# Altium PCB PCB1.PcbDoc (part 3 of 3)
Units mm, origin at the board's own origin, x right, y up, seen from the top; angles counter-clockwise.
Board outline 120 x 57 mm, 4 copper layers (Layer 1, Layer 2, Layer 3, Layer 4), stack 1.283 mm thick; 163 components, 105 nets, 545 pads, 1469 vias.
Unrouted connection lines stored in the file: 2.
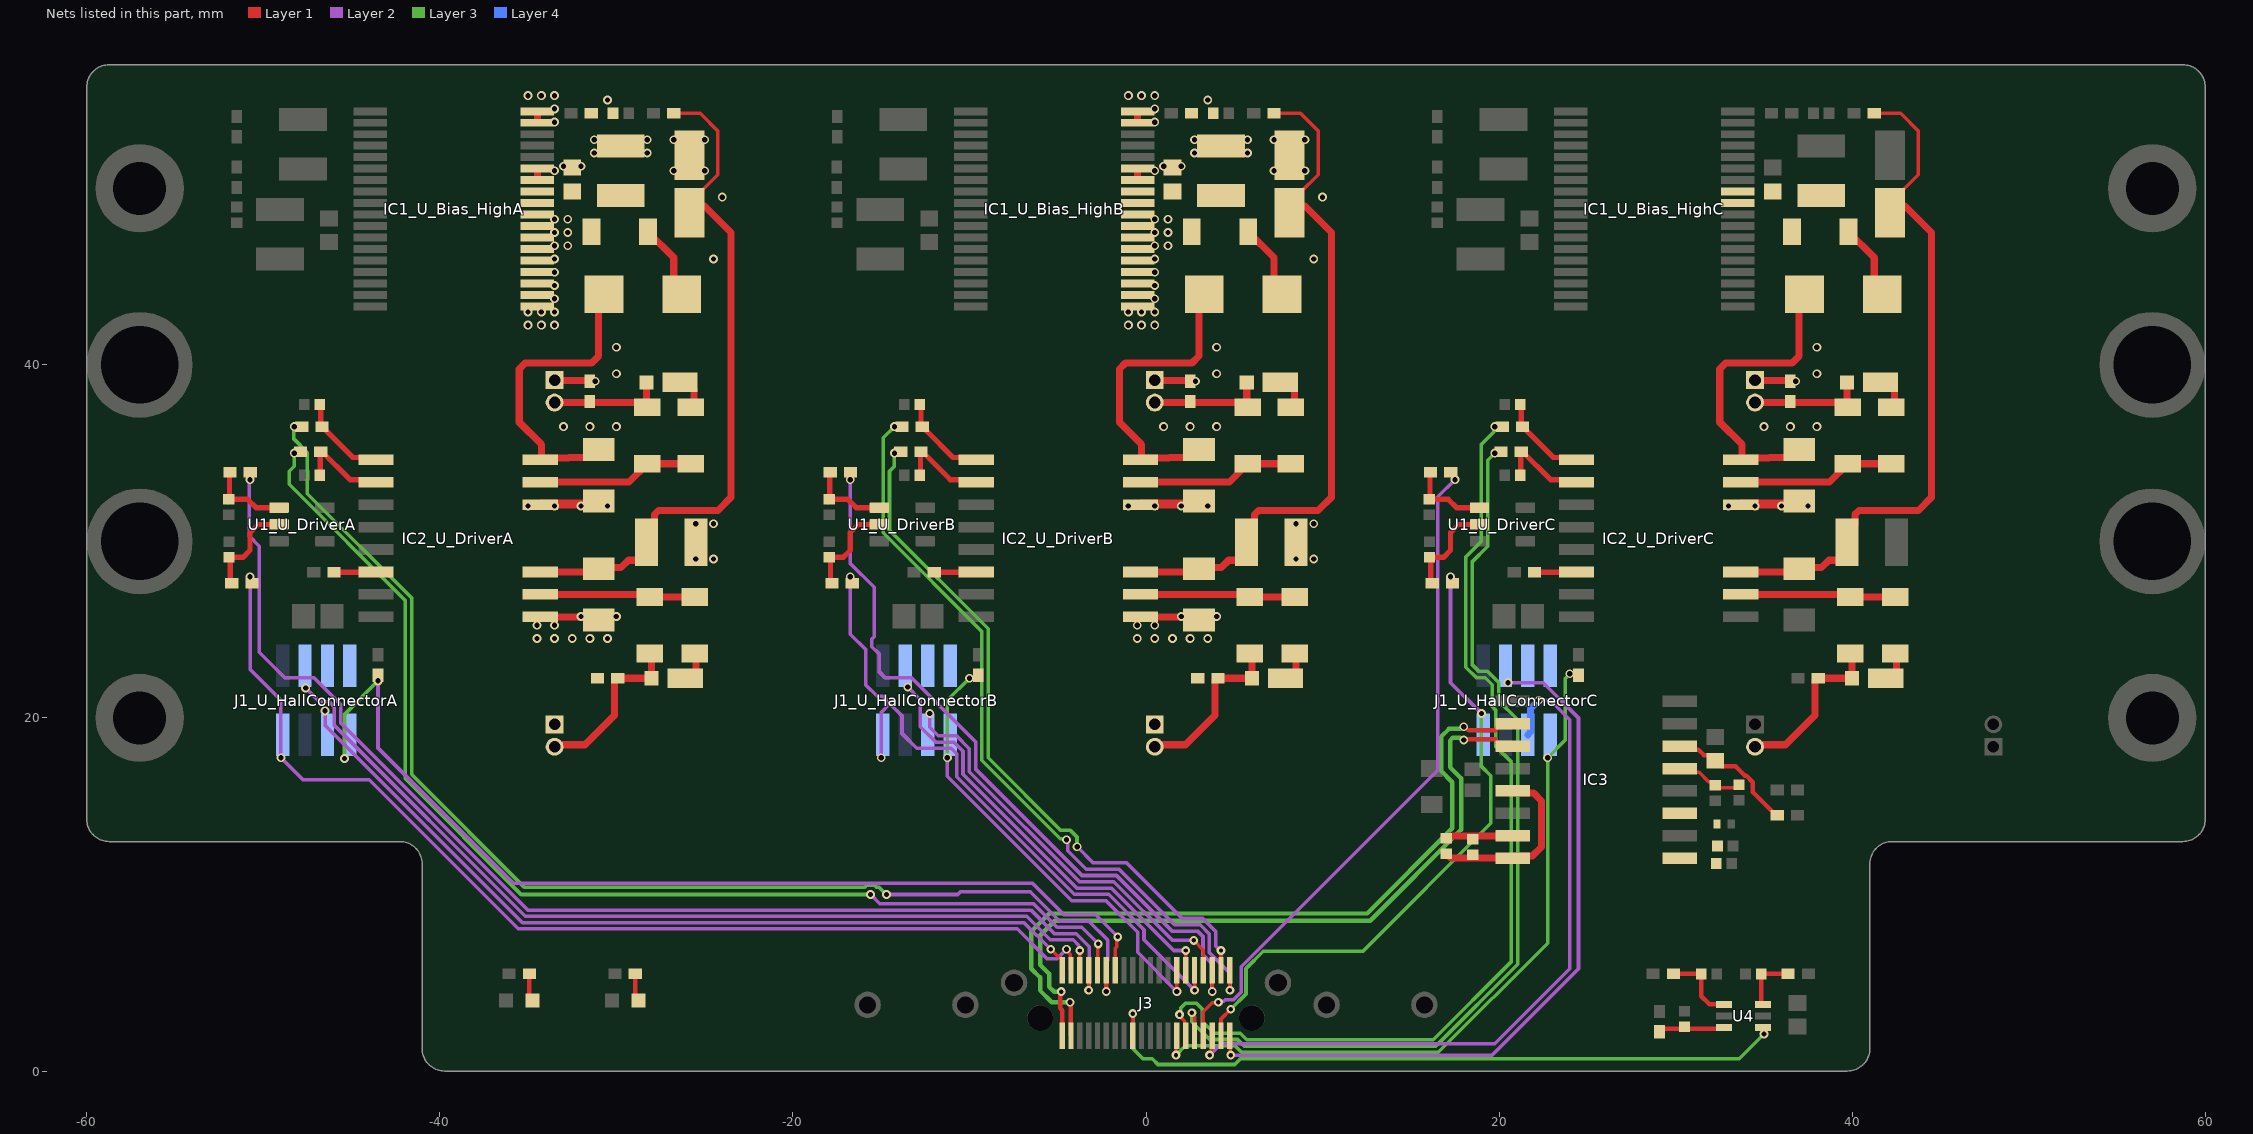
[diagram p5: the nets of this part, all layers, seen from the top]

## Via types
v1: diameter 0.5, hole 0.3, Layer 1 to Layer 4, tented both sides, 1424 vias
v2: diameter 0.5, hole 0.25, Layer 1 to Layer 4, tented both sides, 29 vias
v3: diameter 0.635, hole 0.33, Layer 1 to Layer 4, tented both sides, 12 vias
v4: diameter 0.635, hole 0.33, Layer 1 to Layer 4, 4 vias

## Nets (pads, with @x,y where several pads share a name; then routed paths per layer and width w, separated by ;. In a path a pad name is that pad's centre, name@x,y a point inside that pad or via, vN(x,y) a via of type N, cw(c..) or ccw(c..) an arc to the next point about the centre after c; other vN are vias at no path point) (continued)
"J+_U_Gate ConnectorAA": "J2_U_Gate ConnectorAA.02" D2_U_DriverA.2 R4_U_DriverA.1 R9_U_DriverA.2 | length 7.4
  Layer 1 w0.4: -33.5,37.865 -31.5,37.865 R9_U_DriverA.2@-28,37.865 ; D2_U_DriverA.2@-28.294,39.006 -28.294,37.9 -28.259,37.865 R9_U_DriverA.2@-28,37.865 ; R9_U_DriverA.2@-28.25,37.6 -28,37.6 R9_U_DriverA.2@-28,37.865
"J+_U_Gate ConnectorAB": "J2_U_Gate ConnectorAB.02" D3_U_DriverA.2 R16_U_DriverA.1 R17_U_DriverA.2 | length 9.7
  Layer 1 w0.4: -33.5,18.365 -33.383,18.482 -31.768,18.482 -30.1,20.15 -30.1,22.15 -30,22.25 D3_U_DriverA.2@-28,22.25 -28,23.539 R17_U_DriverA.2@-28.113,23.652
"J+_U_Gate ConnectorBA": "J2_U_Gate ConnectorBA.02" D2_U_DriverB.2 R4_U_DriverB.1 R9_U_DriverB.2 | length 7.4
  Layer 1 w0.4: 0.5,37.865 2.5,37.865 R9_U_DriverB.2@6,37.865 ; D2_U_DriverB.2@5.706,39.006 5.706,37.9 5.741,37.865 R9_U_DriverB.2@6,37.865 ; R9_U_DriverB.2@5.75,37.6 6,37.6 R9_U_DriverB.2@6,37.865
"J+_U_Gate ConnectorBB": "J2_U_Gate ConnectorBB.02" D3_U_DriverB.2 R16_U_DriverB.1 R17_U_DriverB.2 | length 9.7
  Layer 1 w0.4: 0.5,18.365 0.617,18.482 2.232,18.482 3.9,20.15 3.9,22.15 4,22.25 D3_U_DriverB.2@6,22.25 6,23.539 R17_U_DriverB.2@5.887,23.652
"J+_U_Gate ConnectorCA": "J2_U_Gate ConnectorCA.02" D2_U_DriverC.2 R4_U_DriverC.1 R9_U_DriverC.2 | length 7.4
  Layer 1 w0.4: 34.5,37.865 36.5,37.865 R9_U_DriverC.2@40,37.865 ; D2_U_DriverC.2@39.706,39.006 39.706,37.9 39.741,37.865 R9_U_DriverC.2@40,37.865 ; R9_U_DriverC.2@39.75,37.6 40,37.6 R9_U_DriverC.2@40,37.865
"J+_U_Gate ConnectorCB": "J2_U_Gate ConnectorCB.02" D3_U_DriverC.2 R16_U_DriverC.1 R17_U_DriverC.2 | length 9.7
  Layer 1 w0.4: 34.5,18.365 34.617,18.482 36.232,18.482 37.9,20.15 37.9,22.15 38,22.25 D3_U_DriverC.2@40,22.25 40,23.539 R17_U_DriverC.2@39.887,23.652
"J-_U_Gate ConnectorAA": "J2_U_Gate ConnectorAA.01" C18_U_DriverA.1 IC2_U_DriverA.14 R4_U_DriverA.2 | length 5.4
  Layer 1 w0.4: -33.5,39.135 -33.47,39.105 -31.53,39.105 R4_U_DriverA.2@-31.5,39.075
  Layer 1 w0.508: IC2_U_DriverA.14@-34.314,32.08 -34.268,32.126 -31.174,32.126 C18_U_DriverA.1@-31,32.3
  other v1: -35,32 -33.5,32 -32,32 -30.5,32 -33,36.5 -31.5,36.5 -30,36.5 -31.2,39.075 -30,39.5 -30,41
"J-_U_Gate ConnectorAB": "J2_U_Gate ConnectorAB.01" C2_U_Bias_HighA.2 C3_U_Bias_HighA.1 C4_U_Bias_HighA.1 C19_U_DriverA.2 C21_U_DriverA.1 D6_U_Bias_HighA.2 IC1_U_Bias_HighA.19 IC1_U_Bias_HighA.20 IC1_U_Bias_HighA.21 IC1_U_Bias_HighA.22 IC1_U_Bias_HighA.23 IC1_U_Bias_HighA.24 IC1_U_Bias_HighA.25 IC1_U_Bias_HighA.26 IC1_U_Bias_HighA.27 IC1_U_Bias_HighA.30 IC1_U_Bias_HighA.31 IC1_U_Bias_HighA.35 IC1_U_Bias_HighA.36 IC2_U_DriverA.9 R6_U_Bias_HighA.1 R16_U_DriverA.2 | length 4.3
  Layer 1 w0.4: IC1_U_Bias_HighA.30@-34.5,50.5 -34.479,50.521 IC1_U_Bias_HighA.31@-34.479,51.114 ; IC1_U_Bias_HighA.35@-34.5,53.75 -34.479,53.771 IC1_U_Bias_HighA.36@-34.479,54.364 ; IC2_U_DriverA.9@-34.314,25.73 -31.27,25.73 C21_U_DriverA.1@-31.25,25.75
  other v1: -34.5,24.5 -33.5,24.5 -32.5,24.5 -31.5,24.5 -30.5,24.5 -34.5,25.25 -33.5,25.25 -32,25.75 -30,25.75 -25.5,29 -24.5,29 -25.5,31 -24.5,31 -35,42.25 -34.25,42.25 -33.5,42.25 -35,43 -34.25,43 -33.5,43 -33.5,43.75 -33.5,44.5 -33.5,45.25 -33.5,46 -24.5,46 -33.5,46.75 -32.75,46.75 -33.5,47.5 -32.75,47.5 -33.5,48.25 -32.75,48.25 -24,49.5 -33.5,51 -26.75,51 -25,51 -33,51.25 -32,51.25 -31.25,52 -28.25,52 -31.25,52.75 -28.25,52.75 -26.75,52.75 -25,52.75 -33.5,53.75 -33.5,54.5 -30.5,55 -35,55.25 -34.25,55.25 -33.5,55.25
"J-_U_Gate ConnectorBA": "J2_U_Gate ConnectorBA.01" C18_U_DriverB.1 IC2_U_DriverB.14 R4_U_DriverB.2 | length 5.4
  Layer 1 w0.4: 0.5,39.135 0.53,39.105 2.47,39.105 R4_U_DriverB.2@2.5,39.075
  Layer 1 w0.508: IC2_U_DriverB.14@-0.314,32.08 -0.268,32.126 2.826,32.126 C18_U_DriverB.1@3,32.3
  other v1: -1,32 0.5,32 2,32 3.5,32 1,36.5 2.5,36.5 4,36.5 2.8,39.075 4,39.5 4,41
"J-_U_Gate ConnectorBB": "J2_U_Gate ConnectorBB.01" C2_U_Bias_HighB.2 C3_U_Bias_HighB.1 C4_U_Bias_HighB.1 C19_U_DriverB.2 C21_U_DriverB.1 D6_U_Bias_HighB.2 IC1_U_Bias_HighB.19 IC1_U_Bias_HighB.20 IC1_U_Bias_HighB.21 IC1_U_Bias_HighB.22 IC1_U_Bias_HighB.23 IC1_U_Bias_HighB.24 IC1_U_Bias_HighB.25 IC1_U_Bias_HighB.26 IC1_U_Bias_HighB.27 IC1_U_Bias_HighB.30 IC1_U_Bias_HighB.31 IC1_U_Bias_HighB.35 IC1_U_Bias_HighB.36 IC2_U_DriverB.9 R6_U_Bias_HighB.1 R16_U_DriverB.2 | length 4.3
  Layer 1 w0.4: IC1_U_Bias_HighB.30@-0.5,50.5 -0.479,50.521 IC1_U_Bias_HighB.31@-0.479,51.114 ; IC1_U_Bias_HighB.35@-0.5,53.75 -0.479,53.771 IC1_U_Bias_HighB.36@-0.479,54.364 ; IC2_U_DriverB.9@-0.314,25.73 2.73,25.73 C21_U_DriverB.1@2.75,25.75
  other v1: -0.5,24.5 0.5,24.5 1.5,24.5 2.5,24.5 3.5,24.5 -0.5,25.25 0.5,25.25 2,25.75 4,25.75 8.5,29 9.5,29 8.5,31 9.5,31 -1,42.25 -0.25,42.25 0.5,42.25 -1,43 -0.25,43 0.5,43 0.5,43.75 0.5,44.5 0.5,45.25 0.5,46 9.5,46 0.5,46.75 1.25,46.75 0.5,47.5 1.25,47.5 0.5,48.25 1.25,48.25 10,49.5 0.5,51 7.25,51 9,51 1,51.25 2,51.25 2.75,52 5.75,52 2.75,52.75 5.75,52.75 7.25,52.75 9,52.75 0.5,53.75 0.5,54.5 3.5,55 -1,55.25 -0.25,55.25 0.5,55.25
"J-_U_Gate ConnectorCA": "J2_U_Gate ConnectorCA.01" C18_U_DriverC.1 IC2_U_DriverC.14 R4_U_DriverC.2 | length 5.4
  Layer 1 w0.4: 34.5,39.135 34.53,39.105 36.47,39.105 R4_U_DriverC.2@36.5,39.075
  Layer 1 w0.508: IC2_U_DriverC.14@33.686,32.08 33.732,32.126 36.826,32.126 C18_U_DriverC.1@37,32.3
  other v1: 33,32 34.5,32 36,32 37.5,32 35,36.5 36.5,36.5 38,36.5 36.8,39.075 38,39.5 38,41
NetC8_2: C8.2 C11.2 C12.1 IC3.1 IC3.3
NetC10_1: C10.1 C25.1 IC3.15 | length 3.8
  Layer 1 w0.4: C25.1@17,13.25 17.08,13.25 17.155,13.325 IC3.15@20.775,13.325
NetC10_2: C10.2 C25.2 IC3.13 IC3.16 | length 10.2
  Layer 1 w0.4: C25.2@17,12.25 17.08,12.25 17.275,12.055 IC3.16@20.775,12.055 20.9,12.18 21.88,12.18 22.4,12.7 22.4,15.3 21.96,15.74 20.9,15.74 IC3.13@20.775,15.865
NetC14_2: C14.2 IC3.6 R5.2 | length 7.5
  Layer 1 w0.254: IC3.6@30.225,18.405 30.423,18.207 31.293,18.207 31.602,17.898 31.927,17.898 32.573,17.252 33.398,17.252 33.915,16.735 34.003,16.735 34.374,16.364 34.374,15.801 35.675,14.5 R5.2@35.75,14.5
NetC17_U_DriverA_1: C17_U_DriverA.1 IC2_U_DriverA.1 R10_U_DriverA.2 | length 5.2
  Layer 1 w0.3: C17_U_DriverA.1@-46.81,37.75 -46.742,37.683 R10_U_DriverA.2@-46.742,36.508 ; R10_U_DriverA.2@-46.675,36.5 -46.6,36.5 -46.45,36.35 -46.45,36.275 -44.925,34.75 -43.744,34.75 IC2_U_DriverA.1@-43.614,34.62
NetC17_U_DriverB_1: C17_U_DriverB.1 IC2_U_DriverB.1 R10_U_DriverB.2 | length 5.2
  Layer 1 w0.3: C17_U_DriverB.1@-12.81,37.75 -12.742,37.683 R10_U_DriverB.2@-12.742,36.508 ; R10_U_DriverB.2@-12.675,36.5 -12.6,36.5 -12.45,36.35 -12.45,36.275 -10.925,34.75 -9.744,34.75 IC2_U_DriverB.1@-9.614,34.62
NetC17_U_DriverC_1: C17_U_DriverC.1 IC2_U_DriverC.1 R10_U_DriverC.2 | length 5.2
  Layer 1 w0.3: C17_U_DriverC.1@21.19,37.75 21.258,37.683 R10_U_DriverC.2@21.258,36.508 ; R10_U_DriverC.2@21.325,36.5 21.4,36.5 21.55,36.35 21.55,36.275 23.075,34.75 24.256,34.75 IC2_U_DriverC.1@24.386,34.62
NetC18_U_DriverA_2: C18_U_DriverA.2 D1_U_DriverA.1 IC2_U_DriverA.16 | length 17.6
  Layer 1 w0.4: IC2_U_DriverA.16@-34.314,34.62 IC2_U_DriverA.16@-34.25,34.684 ; C18_U_DriverA.2@-31,35.2 -31.45,34.75 -32.67,34.75 -32.7,34.72 -34.214,34.72 IC2_U_DriverA.16@-34.25,34.684 ; D1_U_DriverA.1@-30.7,44 -31,43.7 -31,40.5 -31.406,40.094 -35.172,40.094 -35.5,39.766 -35.5,36.75 -34.25,35.5 IC2_U_DriverA.16@-34.25,34.684
NetC18_U_DriverB_2: C18_U_DriverB.2 D1_U_DriverB.1 IC2_U_DriverB.16 | length 17.6
  Layer 1 w0.4: IC2_U_DriverB.16@-0.314,34.62 IC2_U_DriverB.16@-0.25,34.684 ; C18_U_DriverB.2@3,35.2 2.55,34.75 1.33,34.75 1.3,34.72 -0.214,34.72 IC2_U_DriverB.16@-0.25,34.684 ; D1_U_DriverB.1@3.3,44 3,43.7 3,40.5 2.594,40.094 -1.172,40.094 -1.5,39.766 -1.5,36.75 -0.25,35.5 IC2_U_DriverB.16@-0.25,34.684
NetC18_U_DriverC_2: C18_U_DriverC.2 D1_U_DriverC.1 IC2_U_DriverC.16 | length 17.6
  Layer 1 w0.4: IC2_U_DriverC.16@33.686,34.62 IC2_U_DriverC.16@33.75,34.684 ; C18_U_DriverC.2@37,35.2 36.55,34.75 35.33,34.75 35.3,34.72 33.786,34.72 IC2_U_DriverC.16@33.75,34.684 ; D1_U_DriverC.1@37.3,44 37,43.7 37,40.5 36.594,40.094 32.828,40.094 32.5,39.766 32.5,36.75 33.75,35.5 IC2_U_DriverC.16@33.75,34.684
NetC20_U_DriverA_2: C20_U_DriverA.2 IC2_U_DriverA.2 R11_U_DriverA.2 | length 4.7
  Layer 1 w0.3: C20_U_DriverA.2@-46.75,33.75 -46.775,33.775 -46.775,35.043 R11_U_DriverA.2@-46.74,35.078 -46.665,35.078 -45.087,33.5 IC2_U_DriverA.2@-44,33.5
NetC20_U_DriverB_2: C20_U_DriverB.2 IC2_U_DriverB.2 R11_U_DriverB.2 | length 4.7
  Layer 1 w0.3: C20_U_DriverB.2@-12.75,33.75 -12.775,33.775 -12.775,35.043 R11_U_DriverB.2@-12.74,35.078 -12.665,35.078 -11.087,33.5 IC2_U_DriverB.2@-10,33.5
NetC20_U_DriverC_2: C20_U_DriverC.2 IC2_U_DriverC.2 R11_U_DriverC.2 | length 4.7
  Layer 1 w0.3: C20_U_DriverC.2@21.25,33.75 21.225,33.775 21.225,35.043 R11_U_DriverC.2@21.26,35.078 21.335,35.078 22.913,33.5 IC2_U_DriverC.2@24,33.5
NetC22_U_DriverA_2: C22_U_DriverA.2 R12_U_DriverA.2 U1_U_DriverA.1 | length 4.9
  Layer 1 w0.3: C22_U_DriverA.2@-52,32.25 -51.918,32.332 C22_U_DriverA.2@-51.918,32.38 ; C22_U_DriverA.2@-51.95,32.38 C22_U_DriverA.2@-51.918,32.38 ; R12_U_DriverA.2@-51.887,33.922 -51.918,33.891 C22_U_DriverA.2@-51.918,32.38 ; U1_U_DriverA.1@-49,32 -49.088,31.912 U1_U_DriverA.1@-49.107,31.912 -50.412,31.912 -50.88,32.38 C22_U_DriverA.2@-51.918,32.38
NetC22_U_DriverB_2: C22_U_DriverB.2 R12_U_DriverB.2 U1_U_DriverB.1 | length 4.9
  Layer 1 w0.3: C22_U_DriverB.2@-18,32.25 -17.918,32.332 C22_U_DriverB.2@-17.918,32.38 ; C22_U_DriverB.2@-17.95,32.38 C22_U_DriverB.2@-17.918,32.38 ; R12_U_DriverB.2@-17.887,33.922 -17.918,33.891 C22_U_DriverB.2@-17.918,32.38 ; U1_U_DriverB.1@-15,32 -15.088,31.912 U1_U_DriverB.1@-15.107,31.912 -16.412,31.912 -16.88,32.38 C22_U_DriverB.2@-17.918,32.38
NetC22_U_DriverC_2: C22_U_DriverC.2 R12_U_DriverC.2 U1_U_DriverC.1 | length 4.9
  Layer 1 w0.3: C22_U_DriverC.2@16,32.25 16.082,32.332 C22_U_DriverC.2@16.082,32.38 ; C22_U_DriverC.2@16.05,32.38 C22_U_DriverC.2@16.082,32.38 ; R12_U_DriverC.2@16.113,33.922 16.082,33.891 C22_U_DriverC.2@16.082,32.38 ; U1_U_DriverC.1@19,32 18.912,31.912 18.893,31.912 17.588,31.912 17.12,32.38 C22_U_DriverC.2@16.082,32.38
NetC23_U_DriverA_2: C23_U_DriverA.2 R13_U_DriverA.2 U1_U_DriverA.2 | length 5.8
  Layer 1 w0.3: R13_U_DriverA.2@-52,27.75 -51.894,27.75 -51.87,27.774 -51.87,29.019 C23_U_DriverA.2@-51.947,29.096 -51.154,29.096 -50.75,29.5 -50.75,30.5 -50.288,30.962 U1_U_DriverA.2@-49.107,30.962 -49.038,30.962 U1_U_DriverA.2@-49,31
NetC23_U_DriverB_2: C23_U_DriverB.2 R13_U_DriverB.2 U1_U_DriverB.2 | length 5.8
  Layer 1 w0.3: R13_U_DriverB.2@-18,27.75 -17.894,27.75 -17.87,27.774 -17.87,29.019 C23_U_DriverB.2@-17.947,29.096 -17.154,29.096 -16.75,29.5 -16.75,30.5 -16.288,30.962 U1_U_DriverB.2@-15.107,30.962 -15.038,30.962 U1_U_DriverB.2@-15,31
NetC23_U_DriverC_2: C23_U_DriverC.2 R13_U_DriverC.2 U1_U_DriverC.2 | length 5.8
  Layer 1 w0.3: R13_U_DriverC.2@16,27.75 16.106,27.75 16.13,27.774 16.13,29.019 C23_U_DriverC.2@16.053,29.096 16.846,29.096 17.25,29.5 17.25,30.5 17.712,30.962 18.893,30.962 18.962,30.962 U1_U_DriverC.2@19,31
NetC28_2: C28.2 R19.2 U4.1 | length 4.6
  Layer 1 w0.254: R19.2@29.875,5.5 31.4,5.5 C28.2@31.46,5.44 ; C28.2@31.46,5.5 C28.2@31.46,5.44 ; C28.2@31.5,5.4 C28.2@31.46,5.44 ; U4.1@32.9,3.8 32.882,3.782 31.918,3.782 31.46,4.24 C28.2@31.46,5.44
NetC32_2: C32.2 R20.2 U4.3 | length 3.9
  Layer 1 w0.254: R20.2@29.088,2.223 29.254,2.389 32.889,2.389 U4.3@32.9,2.4
NetC33_2: C33.2 R21.2 U4.6 | length 3.3
  Layer 1 w0.254: U4.6@34.9,3.8 34.875,3.8 34.84,3.835 C33.2@34.84,5.5 R21.2@36.372,5.5 R21.2@36.4,5.5
NetC34_2: C34.2 C35.2 IC3.5 | length 3.9
  Layer 1 w0.203: IC3.5@30.225,17.135 30.442,16.918 31.332,16.918 31.862,16.388 32.032,16.388 C35.2@32.23,16.19 ; C35.2@32.25,16.19 32.4,16.04 33.421,16.04 C34.2@33.588,16.207
NetD1_U_DriverA_2: D1_U_DriverA.2 R8_U_DriverA.2 | length 4.3
  Layer 1 w0.4: R8_U_DriverA.2@-28.205,47.53 -26.75,46.075 -26.75,44.45 D1_U_DriverA.2@-26.3,44
NetD1_U_DriverB_2: D1_U_DriverB.2 R8_U_DriverB.2 | length 4.3
  Layer 1 w0.4: R8_U_DriverB.2@5.795,47.53 7.25,46.075 7.25,44.45 D1_U_DriverB.2@7.7,44
NetD1_U_DriverC_2: D1_U_DriverC.2 R8_U_DriverC.2 | length 4.3
  Layer 1 w0.4: R8_U_DriverC.2@39.795,47.53 41.25,46.075 41.25,44.45 D1_U_DriverC.2@41.7,44
NetD2_U_DriverA_1: D2_U_DriverA.1 R3_U_DriverA.2 | length 2.2
  Layer 1 w0.4: D2_U_DriverA.1@-26.394,39.006 -25.944,39.006 -25.594,38.656 -25.594,37.9 -25.559,37.865 -25.531,37.865 R3_U_DriverA.2@-25.796,37.6
NetD2_U_DriverB_1: D2_U_DriverB.1 R3_U_DriverB.2 | length 2.2
  Layer 1 w0.4: D2_U_DriverB.1@7.606,39.006 8.056,39.006 8.406,38.656 8.406,37.9 8.441,37.865 8.469,37.865 R3_U_DriverB.2@8.204,37.6
NetD2_U_DriverC_1: D2_U_DriverC.1 R3_U_DriverC.2 | length 2.2
  Layer 1 w0.4: D2_U_DriverC.1@41.606,39.006 42.056,39.006 42.406,38.656 42.406,37.9 42.441,37.865 42.469,37.865 R3_U_DriverC.2@42.204,37.6
NetD3_U_DriverA_1: D3_U_DriverA.1 R14_U_DriverA.2 | length 1.4
  Layer 1 w0.4: R14_U_DriverA.2@-25.565,23.652 -25.5,23.586 D3_U_DriverA.1@-25.5,22.25
NetD3_U_DriverB_1: D3_U_DriverB.1 R14_U_DriverB.2 | length 1.4
  Layer 1 w0.4: R14_U_DriverB.2@8.435,23.652 8.5,23.586 D3_U_DriverB.1@8.5,22.25
NetD3_U_DriverC_1: D3_U_DriverC.1 R14_U_DriverC.2 | length 1.4
  Layer 1 w0.4: R14_U_DriverC.2@42.435,23.652 42.5,23.586 D3_U_DriverC.1@42.5,22.25
NetD4_1: D4.1 R26.1 | length 1.6
  Layer 1 w0.254: R26.1@-34.925,5.5 -34.925,4.175 D4.1@-34.75,4
NetD5_1: D5.1 R27.1 | length 1.6
  Layer 1 w0.254: R27.1@-28.925,5.5 -28.925,4.175 D5.1@-28.75,4
NetIC2_U_DriverA_6: IC2_U_DriverA.6 R15_U_DriverA.1 | length 2.8
  Layer 1 w0.3: R15_U_DriverA.1@-45.993,28.25 -45.983,28.26 -43.26,28.26 IC2_U_DriverA.6@-43.25,28.25
NetIC2_U_DriverA_10: IC2_U_DriverA.10 R14_U_DriverA.1 R17_U_DriverA.1 | length 8.8
  Layer 1 w0.4: IC2_U_DriverA.10@-34.314,27 -28.261,27 R17_U_DriverA.1@-28.113,26.852 R14_U_DriverA.1@-25.565,26.852
NetIC2_U_DriverA_15: IC2_U_DriverA.15 R3_U_DriverA.1 R9_U_DriverA.1 | length 8.8
  Layer 1 w0.4: IC2_U_DriverA.15@-34.125,33.375 -29.275,33.375 R9_U_DriverA.1@-28.25,34.4 R3_U_DriverA.1@-25.796,34.4
NetIC2_U_DriverB_6: IC2_U_DriverB.6 R15_U_DriverB.1 | length 2.8
  Layer 1 w0.3: R15_U_DriverB.1@-11.993,28.25 -11.983,28.26 -9.26,28.26 IC2_U_DriverB.6@-9.25,28.25
NetIC2_U_DriverB_10: IC2_U_DriverB.10 R14_U_DriverB.1 R17_U_DriverB.1 | length 8.8
  Layer 1 w0.4: IC2_U_DriverB.10@-0.314,27 5.739,27 R17_U_DriverB.1@5.887,26.852 R14_U_DriverB.1@8.435,26.852
NetIC2_U_DriverB_15: IC2_U_DriverB.15 R3_U_DriverB.1 R9_U_DriverB.1 | length 8.8
  Layer 1 w0.4: IC2_U_DriverB.15@-0.125,33.375 4.725,33.375 R9_U_DriverB.1@5.75,34.4 R3_U_DriverB.1@8.204,34.4
NetIC2_U_DriverC_6: IC2_U_DriverC.6 R15_U_DriverC.1 | length 2.8
  Layer 1 w0.3: R15_U_DriverC.1@22.007,28.25 22.017,28.26 24.74,28.26 IC2_U_DriverC.6@24.75,28.25
NetIC2_U_DriverC_10: IC2_U_DriverC.10 R14_U_DriverC.1 R17_U_DriverC.1 | length 8.8
  Layer 1 w0.4: IC2_U_DriverC.10@33.686,27 39.739,27 R17_U_DriverC.1@39.887,26.852 R14_U_DriverC.1@42.435,26.852
NetIC2_U_DriverC_15: IC2_U_DriverC.15 R3_U_DriverC.1 R9_U_DriverC.1 | length 8.8
  Layer 1 w0.4: IC2_U_DriverC.15@33.875,33.375 38.725,33.375 R9_U_DriverC.1@39.75,34.4 R3_U_DriverC.1@42.204,34.4
NetJ1_U_HallConnectorA_2: J1_U_HallConnectorA.2 J3.38 R13_U_DriverA.1 | length 61.7
  Layer 1 w0.2: v1(-4.5,6.9) -4.5,6.819 -4.3,6.619 -4.3,5.75 J3.38@-4.25,5.7
  Layer 2 w0.2: v1@-50.75,27.95 -50.75,22.754 -49,21.004 v1(-49,17.75) -47.75,16.5 -44,16.5 -35.553,8.053 -7.299,8.053 -5.619,6.372 -5.028,6.372 v1(-4.5,6.9)
  other v1: -50.75,28
NetJ1_U_HallConnectorA_3: J1_U_HallConnectorA.3 J3.36 | length 51.9
  Layer 1 w0.203: J3.36@-3.75,5.7 v2(-3.75,6.827)
  Layer 2 w0.203: v1(-47.6,21.7) -46.829,20.929 -46.281,20.929 -45.971,20.619 -45.971,19.568 -35.165,8.763 -6.76,8.763 -5.427,7.429 -4.129,7.429 -3.807,7.107 -3.807,6.884 v2(-3.75,6.827)
NetJ1_U_HallConnectorA_5: J1_U_HallConnectorA.5
NetJ1_U_HallConnectorA_6: J1_U_HallConnectorA.6 J3.40 | length 48.7
  Layer 1 w0.203: v2(-5.4,6.9) -5.008,6.508 -4.958,6.508 -4.75,6.3 J3.40@-4.75,5.7
  Layer 2 w0.203: v1(-46.5,20.4) -46.5,19.595 -35.312,8.407 -6.907,8.407 v2(-5.4,6.9)
NetJ1_U_HallConnectorA_7: J1_U_HallConnectorA.7
NetJ1_U_HallConnectorA_8: J1_U_HallConnectorA.8 J3.28 R18_U_HallConnectorA.2 | length 57.3
  Layer 1 w0.203: J3.28@-1.75,5.7 -1.75,6.944 -1.648,7.045 -1.648,7.552 v2(-1.6,7.6)
  Layer 2 w0.203: v1(-43.5,22.1) -43.5,18.3 -35.829,10.629 -6.429,10.629 -4.645,8.845 -2.845,8.845 v2(-1.6,7.6)
  Layer 3 w0.203: v1(-45.4,17.7) -45.4,20.2 v1(-43.5,22.1)
NetJ1_U_HallConnectorB_2: J1_U_HallConnectorB.2 J3.10 R13_U_DriverB.1 | length 38.3
  Layer 1 w0.203: v2(2.75,4.573) J3.10@2.75,5.7
  Layer 2 w0.203: v1@-16.75,27.95 -16.75,24.75 -15.885,23.885 -15.885,21.886 -15.219,21.221 -14.923,21.221 -14.507,20.804 ; v1(-15,17.75) -15,20.31 -14.507,20.804 ; v2(2.75,4.573) -0.115,7.438 -0.115,8.006 -2.118,10.009 -4.066,10.009 -10.721,16.663 -10.721,17.969 -11.031,18.279 -12.982,18.279 -13.821,19.118 -13.821,20.118 -14.507,20.804
  other v1: -16.75,28
NetJ1_U_HallConnectorB_3: J1_U_HallConnectorB.3 J3.12 | length 24.7
  Layer 1 w0.203: J3.12@2.25,5.7 v2(2.25,6.827)
  Layer 2 w0.203: v1(-13.5,21.75) -12.779,21.029 -12.779,19.503 -11.911,18.635 -10.883,18.635 -10.365,18.117 -10.365,16.811 -3.919,10.365 -1.97,10.365 1.567,6.827 v2(2.25,6.827)
NetJ1_U_HallConnectorB_5: J1_U_HallConnectorB.5
NetJ1_U_HallConnectorB_6: J1_U_HallConnectorB.6 J3.08 | length 23.4
  Layer 1 w0.203: v2(2.7,7.4) 3.25,6.85 J3.08@3.25,5.7
  Layer 2 w0.203: v1(-12.25,20.25) -12.25,19.477 -11.764,18.991 -10.736,18.991 -10.009,18.264 -10.009,16.958 -3.772,10.72 -1.823,10.72 1.497,7.4 v2(2.7,7.4)
NetJ1_U_HallConnectorB_7: J1_U_HallConnectorB.7
NetJ1_U_HallConnectorB_8: J1_U_HallConnectorB.8 J3.14 R18_U_HallConnectorB.2 | length 26
  Layer 1 w0.203: v1(1.75,4.5) J3.14@1.75,5.7
  Layer 2 w0.203: v1(-11.25,17.75) -11.25,16.69 -4.214,9.653 -2.265,9.653 -0.471,7.859 -0.471,6.721 v1(1.75,4.5)
  Layer 3 w0.203: v1(-11.25,17.75) -11.25,21 v1(-10,22.25)
NetJ1_U_HallConnectorC_2: J1_U_HallConnectorC.2 J3.03 R13_U_DriverC.1 | length 36.6
  Layer 1 w0.203: J3.03@4.25,2 4.25,2.95 v2(4.8,3.5)
  Layer 2 w0.203: v1(17.25,28) 17.25,22 v1(19,20.25) v1@19,20.2
  Layer 3 w0.203: v2(4.8,3.5) 5.662,4.362 5.662,5.804 6.65,6.792 12.294,6.792 19.529,14.027 19.529,16.722 19,17.251 v1(19,20.25)
NetJ1_U_HallConnectorC_3: J1_U_HallConnectorC.3 J3.01 | length 41.9
  Layer 1 w0.203: J3.01@4.75,2 4.775,1.975 4.775,0.925 v2(4.8,0.9)
  Layer 2 w0.203: v2(4.8,0.9) 19.601,0.9 24.5,5.799 24.5,20 22.5,22 v1(20.5,22)
NetJ1_U_HallConnectorC_5: J1_U_HallConnectorC.5
NetJ1_U_HallConnectorC_6: J1_U_HallConnectorC.6 J3.05 | length 42.1
  Layer 1 w0.203: v2(3.6,0.9) 3.6,0.98 3.702,1.082 3.702,1.952 J3.05@3.75,2
  Layer 2 w0.2: v2(3.6,0.9) 4.254,1.554 19.754,1.554 24,5.8 24,19.9 22.9,21 v1(22.25,21)
  Layer 4 w0.4: J1_U_HallConnectorC.6@21.635,19.05 21.782,19.197 21.782,20.532 v1@22.231,20.981
NetJ1_U_HallConnectorC_7: J1_U_HallConnectorC.7
NetJ1_U_HallConnectorC_8: J1_U_HallConnectorC.8 J3.13 R18_U_HallConnectorC.2 | length 40.9
  Layer 1 w0.203: v2(1.7,0.9) 1.725,0.925 1.725,1.975 J3.13@1.75,2
  Layer 3 w0.203: v2(1.7,0.9) 2.229,1.429 5.037,1.429 5.41,1.056 16.561,1.056 22.75,7.244 v1(22.75,17.75) 23.75,18.75 23.75,22.233 24,22.483 v1(24,22.5)
NetJ3_02: J3.02 R10_U_DriverB.1 | length 43.6
  Layer 1 w0.203: v2(4.75,4.573) J3.02@4.75,5.7
  Layer 2 w0.203: v1@-4.456,13.156 -4.443,13.143 -4.443,12.846 -4.429,12.833 -4.429,12.481 -3.38,11.431 -1.528,11.431 1.618,8.285 3.067,8.285 3.585,7.767 3.585,6.715 4.779,5.521 4.779,4.602 v2(4.75,4.573)
  Layer 3 w0.203: v1(-14.25,36.5) -14.885,35.865 -14.885,30.485 -9.298,24.898 -9.298,17.798 -9.298,17.595 -4.86,13.157 -4.557,13.157 v1(-4.5,13.1)
NetJ3_04: J3.04 R11_U_DriverB.1 | length 39.3
  Layer 1 w0.203: J3.04@4.25,5.7 v2(4.25,6.827)
  Layer 2 w0.203: v1(-3.9,12.7) -3,11.8 -1.1,11.8 2.059,8.641 3.214,8.641 3.941,7.914 3.941,7.094 4.208,6.827 v2(4.25,6.827)
  Layer 3 w0.203: v1(-14.25,35) -14.25,34.249 -14.529,33.969 -14.529,30.632 -8.943,25.045 -8.943,17.743 -4.829,13.629 -4.281,13.629 -3.906,13.255 -3.906,12.706 v1(-3.9,12.7)
NetJ3_06: J3.06 R12_U_DriverB.1 | length 41.6
  Layer 1 w0.203: v1(3.75,4.5) J3.06@3.75,5.7
  Layer 2 w0.203: v1@-16.75,33.45 -16.75,28.749 -15.4,27.399 -15.4,24.599 -15.529,24.469 -15.529,24.031 -15.1,23.601 -15.1,22.599 -14.781,22.279 -13.281,22.279 -9.654,18.652 -9.654,17.105 -3.624,11.076 -1.676,11.076 1.471,7.929 2.919,7.929 3.229,7.619 3.229,6.568 3.721,6.077 3.721,4.529 v1(3.75,4.5)
  other v1: -16.75,33.5
NetJ3_07: J3.07 R12_U_DriverC.1 | length 38
  Layer 1 w0.203: J3.07@3.25,2 3.25,3.35 3.761,3.861 4.061,3.861 v2(4.1,3.9)
  Layer 2 w0.203: v2(4.1,3.9) 4.157,3.957 4.41,3.957 4.482,4.029 4.955,4.029 5.4,4.474 5.4,5.9 16.529,17.029 16.529,32.529 v1(17.5,33.5)
NetJ3_09: J3.09 R11_U_DriverC.1 | length 53.7
  Layer 1 w0.203: v2(2.6,3.3) 2.6,3.22 2.75,3.07 J3.09@2.75,2
  Layer 3 w0.203: v2(2.6,3.3) 2.6,2.8 3.615,1.785 5.184,1.785 5.405,1.564 5.558,1.411 16.414,1.411 16.567,1.564 21.056,6.053 21.056,19.896 19.971,20.981 19.971,22.031 19.367,22.635 18.864,22.635 18.471,23.028 18.471,28.836 19.356,29.721 19.356,34.606 v1(19.75,35)
NetJ3_11: J3.11 R10_U_DriverC.1 | length 56
  Layer 1 w0.203: v2(1.9,3.2) 1.9,3.12 2.202,2.818 2.202,2.048 J3.11@2.25,2
  Layer 3 w0.203: v2(1.9,3.2) 1.957,3.257 1.957,3.557 2.229,3.829 2.871,3.829 3.2,3.5 3.2,2.8 3.859,2.141 5.331,2.141 5.705,1.767 16.267,1.767 20.7,6.2 20.7,17.5 19.8,18.4 19.8,20.453 19.615,20.638 19.615,21.884 19.219,22.279 18.716,22.279 18.115,22.881 18.115,29.116 19,30.001 19,35.5 19.693,36.193 19.693,36.443 v1(19.75,36.5)
NetJ3_30: J3.30 R10_U_DriverA.1 | length 70.1
  Layer 1 w0.254: v1(-2.25,4.5) J3.30@-2.25,5.7
  Layer 2 w0.2: v1(-14.7,10) -10.655,10 -10.509,10.146 -6.546,10.146 ; -6.5,10.1 -6.546,10.146 ; v1(-2.25,4.5) -2.25,6.196 -2.172,6.274 -2.172,7.419 -3.245,8.491 -4.892,8.491 -6.547,10.146
  Layer 3 w0.2: v1@-48.264,36.4 -48.264,35.798 -47.5,35.035 -47.5,33.996 -47.472,33.969 -47.472,33.531 -47.5,33.504 -47.5,32.698 -41.6,26.798 -41.6,16.8 -35.2,10.4 -15.946,10.4 -15.819,10.528 -15.381,10.528 -15.254,10.4 -15.1,10.4 v1(-14.7,10)
  other v1: -48.25,36.5
NetJ3_32: J3.32 R11_U_DriverA.1 | length 65.9
  Layer 1 w0.203: J3.32@-2.75,5.7 -2.725,5.725 -2.725,7.175 v2(-2.7,7.2)
  Layer 2 w0.2: v1(-15.6,10) -15.072,9.472 -6.372,9.472 -5.038,8.139 -3.639,8.139 v2(-2.7,7.2)
  Layer 3 w0.2: v1(-48.25,35) -48.25,34.249 -48.529,33.969 -48.529,33.229 -41.952,26.652 -41.952,16.553 -35.399,10 v1(-15.6,10)
NetJ3_34: J3.34 R12_U_DriverA.1 | length 68
  Layer 1 w0.203: v2(-3.25,4.573) J3.34@-3.25,5.7
  Layer 2 w0.203: v1@-50.8,33.3 -50.8,30.301 -50.221,29.722 -50.221,23.721 -48.779,22.279 -47.128,22.279 -45.615,20.767 -45.615,19.715 -35.018,9.118 -6.518,9.118 -5.185,7.785 -3.959,7.785 -3.221,7.046 -3.221,4.602 v2(-3.25,4.573)
  other v1: -50.75,33.5
P\G\: J3.23 U4.4 | length 40
  Layer 1 w0.203: J3.23@-0.75,2 v2(-0.75,3.25)
  Layer 3 w0.203: v2(-0.75,3.25) -0.746,3.246 -0.746,1.272 -0.174,0.7 0.351,0.7 0.681,0.371 5.019,0.371 5.349,0.7 33.6,0.7 34.903,2.003 v1@34.997,2.003
  other v1: 35,2.1
V_N: IC3.10 J3.37 | length 43.7
  Layer 1 w0.254: v1(-4.3,3.9) -4.273,3.873 -4.273,2.023 J3.37@-4.25,2 ; v1(18,19.5) 18.067,19.5 18.273,19.294 19.778,19.294 19.927,19.443 19.927,19.477 20.125,19.675 IC3.10@20.775,19.675
  Layer 3 w0.254: v1(-4.3,3.9) -5.336,3.9 -6,4.564 -6,5.3 -6.5,5.8 -6.5,7.903 -5.48,8.923 12.531,8.923 17.355,13.748 17.355,16.363 16.712,17.006 16.712,18.933 17.159,19.379 17.812,19.379 17.933,19.5 v1(18,19.5)
V_P: IC3.11 J3.39 | length 42.1
  Layer 1 w0.254: v2@-4.867,4.367 v2@-4.855,4.379 ; v2@-4.8,4.6 v2(-4.8,4.5) -4.8,4.433 v2@-4.855,4.379 ; J3.39@-4.75,2 -4.75,3.448 -4.855,3.553 v2@-4.855,4.379 ; v1(18,18.75) 18.036,18.786 19.778,18.786 19.927,18.637 19.927,18.603 20.125,18.405 IC3.11@20.775,18.405
  Layer 3 w0.254: v2(-4.8,4.5) -4.817,4.483 -5.201,4.483 -5.492,4.775 -5.492,5.51 -5.992,6.01 -5.992,7.693 -5.168,8.517 12.699,8.517 17.863,13.681 17.863,16.574 17.22,17.216 17.22,18.722 17.369,18.871 17.812,18.871 17.933,18.75 v1(18,18.75)
VCC_U_Bias_HighA: C2_U_Bias_HighA.1 C3_U_Bias_HighA.2 C19_U_DriverA.1 C21_U_DriverA.2 D6_U_Bias_HighA.1 IC1_U_Bias_HighA.28 IC1_U_Bias_HighA.29 IC2_U_DriverA.11 R2_U_Bias_HighA.2 R8_U_DriverA.1 | length 37.4
  Layer 1 w0.2: R2_U_Bias_HighA.2@-26.75,54.25 -25.25,54.25 -24.25,53.25 -24.25,50.775 -25.25,49.775 D6_U_Bias_HighA.1@-25.25,49.25
  Layer 1 w0.4: IC2_U_DriverA.11@-34.314,28.27 -31.18,28.27 C21_U_DriverA.2@-31,28.45 ; C21_U_DriverA.2@-31,28.5 -30.984,28.516 -29.734,28.516 -29.316,28.934 -28.75,28.934 -28.3,29.384 C19_U_DriverA.1@-28.3,29.95 ; C19_U_DriverA.1@-28.25,30.5 -27.85,30.9 -27.85,31.516 -27.616,31.75 -24.25,31.75 -23.5,32.5 -23.5,47.5 -25,49
VCC_U_Bias_HighB: C2_U_Bias_HighB.1 C3_U_Bias_HighB.2 C19_U_DriverB.1 C21_U_DriverB.2 D6_U_Bias_HighB.1 IC1_U_Bias_HighB.28 IC1_U_Bias_HighB.29 IC2_U_DriverB.11 R2_U_Bias_HighB.2 R8_U_DriverB.1 | length 37.4
  Layer 1 w0.2: R2_U_Bias_HighB.2@7.25,54.25 8.75,54.25 9.75,53.25 9.75,50.775 8.75,49.775 D6_U_Bias_HighB.1@8.75,49.25
  Layer 1 w0.4: IC2_U_DriverB.11@-0.314,28.27 2.82,28.27 C21_U_DriverB.2@3,28.45 ; C21_U_DriverB.2@3,28.5 3.016,28.516 4.266,28.516 4.684,28.934 5.25,28.934 5.7,29.384 C19_U_DriverB.1@5.7,29.95 ; C19_U_DriverB.1@5.75,30.5 6.15,30.9 6.15,31.516 6.384,31.75 9.75,31.75 10.5,32.5 10.5,47.5 9,49
VCC_U_Bias_HighC: C2_U_Bias_HighC.1 C3_U_Bias_HighC.2 C19_U_DriverC.1 C21_U_DriverC.2 D6_U_Bias_HighC.1 IC1_U_Bias_HighC.28 IC1_U_Bias_HighC.29 IC2_U_DriverC.11 R2_U_Bias_HighC.2 R8_U_DriverC.1 | length 37.4
  Layer 1 w0.2: R2_U_Bias_HighC.2@41.25,54.25 42.75,54.25 43.75,53.25 43.75,50.775 42.75,49.775 D6_U_Bias_HighC.1@42.75,49.25
  Layer 1 w0.4: IC2_U_DriverC.11@33.686,28.27 36.82,28.27 C21_U_DriverC.2@37,28.45 ; C21_U_DriverC.2@37,28.5 37.016,28.516 38.266,28.516 38.684,28.934 39.25,28.934 39.7,29.384 C19_U_DriverC.1@39.7,29.95 ; C19_U_DriverC.1@39.75,30.5 40.15,30.9 40.15,31.516 40.384,31.75 43.75,31.75 44.5,32.5 44.5,47.5 43,49
pads on no net: IC1_U_Bias_HighA.32 IC1_U_Bias_HighB.32 IC1_U_Bias_HighC.32 IC2_U_DriverA.7 IC2_U_DriverB.7 IC2_U_DriverC.7 IC3.4 IC3.14 J3.19 J3.20 J3.21 J3.22 J3.None

## Polygon pours and split planes (outlines as drawn)
HV_TIE on Layer 4 "NONET_L01_P-001" (solid, pour order 111): 32,26 29,23 29,11 49,11 49,20 45,24 45,24.5 45,56 32,56 32,42.5 ccw(c32.75,42.5) 32.75,41.75 34.25,41.75 ccw(c34.25,42.5) 35,42.5 35,45.5 cw(c36,45.5) 36,46.5 39,46.5 cw(c39,45.25) 40.25,45.25 40.25,42.25 ccw(c41.25,42.25) 41.25,41.25 42.75,41.25 cw(c42.75,40) 44,40 44,32.25 43.75,32 40,32 ccw(c40,31) 39,31 39,30 cw(c38,30) 38,29 33,29 ccw(c33,28) 32,28
GND on Layer 4 "NONET_L01_P-001" (solid, pour order 79): -40,16 -36,12 -23,12 -19,16 -19,57 -6,57 -6,16 -2,12 11,12 15,16 15,57 28,57 28,28 25,25 25,8 26,7 41,7 41,0 -40,0
"J-_U_Gate ConnectorBB" on Layer 4 "NONET_L01_P-001" (solid, pour order 100): 7.25,41.25 8.75,41.25 cw(c8.75,40) 10,40 10,32.25 9.75,32 6,32 ccw(c6,31) 5,31 5,30 cw(c4,30) 4,29 -1,29 ccw(c-1,28) -2,28 -2,17.75 -0.25,16 9.25,16 11,17.75 11,56 -2,56 -2,42.5 ccw(c-1.25,42.5) -1.25,41.75 0.25,41.75 ccw(c0.25,42.5) 1,42.5 1,45.5 cw(c2,45.5) 2,46.5 5,46.5 cw(c5,45.25) 6.25,45.25 6.25,42.25 ccw(c7.25,42.25)
"J-_U_Gate ConnectorAB" on Layer 4 "NONET_L01_P-001" (solid, pour order 99): -26.75,41.25 -25.25,41.25 cw(c-25.25,40) -24,40 -24,32.25 -24.25,32 -28,32 ccw(c-28,31) -29,31 -29,30 cw(c-30,30) -30,29 -35,29 ccw(c-35,28) -36,28 -36,17.75 -34.25,16 -24.75,16 -23,17.75 -23,56 -36,56 -36,42.5 ccw(c-35.25,42.5) -35.25,41.75 -33.75,41.75 ccw(c-33.75,42.5) -33,42.5 -33,45.5 cw(c-32,45.5) -32,46.5 -29,46.5 cw(c-29,45.25) -27.75,45.25 -27.75,42.25 ccw(c-26.75,42.25)
"J-_U_Gate ConnectorCA" on Layer 4 "NONET_L01_P-001" (solid, pour order 103): 33,31.5 36.964,31.5 ccw(c36.964,32.793) 37.879,31.879 38.5,32.5 39.146,33.146 cw(c40,32.293) 40,33.5 42.5,33.5 ccw(c42.5,34) 43,34 43,39.162 ccw(c42.662,39.162) 42.662,39.5 41,39.5 cw(c41,41.75) 38.75,41.75 38.75,44.725 ccw(c38.475,44.725) 38.475,45 36.125,45 ccw(c36.125,44.875) 36,44.875 36,42 cw(c34.25,42) 34.25,40.25 32.984,40.25 ccw(c32.984,39.266) 32,39.266 32,32.5 ccw(c33,32.5)
"J-_U_Gate ConnectorBA" on Layer 4 "NONET_L01_P-001" (solid, pour order 102): -1,31.5 2.964,31.5 ccw(c2.964,32.793) 3.879,31.879 4.5,32.5 5.146,33.146 cw(c6,32.293) 6,33.5 8.5,33.5 ccw(c8.5,34) 9,34 9,39.162 ccw(c8.662,39.162) 8.662,39.5 7,39.5 cw(c7,41.75) 4.75,41.75 4.75,44.725 ccw(c4.475,44.725) 4.475,45 2.125,45 ccw(c2.125,44.875) 2,44.875 2,42 cw(c0.25,42) 0.25,40.25 -1.016,40.25 ccw(c-1.016,39.266) -2,39.266 -2,32.5 ccw(c-1,32.5)
"J-_U_Gate ConnectorAA" on Layer 4 "NONET_L01_P-001" (solid, pour order 101): -35,31.5 -31.036,31.5 ccw(c-31.036,32.793) -30.121,31.879 -29.5,32.5 -28.854,33.146 cw(c-28,32.293) -28,33.5 -25.5,33.5 ccw(c-25.5,34) -25,34 -25,39.162 ccw(c-25.338,39.162) -25.338,39.5 -27,39.5 cw(c-27,41.75) -29.25,41.75 -29.25,44.725 ccw(c-29.525,44.725) -29.525,45 -31.875,45 ccw(c-31.875,44.875) -32,44.875 -32,42 cw(c-33.75,42) -33.75,40.25 -35.016,40.25 ccw(c-35.016,39.266) -36,39.266 -36,32.5 ccw(c-35,32.5)
GND on Layer 4 "NONET_L01_P-001" (solid, pour order 78): -60,57 -60,0 -40,0 -40,57
GND on Layer 4 "NONET_L01_P-001" (solid, pour order 77): 49,57 49,26 53,22 53,13 60,13 60,57
HV_TIE on Layer 1 "NONET_L01_P-001" (solid, pour order 116): 32,26 29,23 29,11 49,11 49,20 45,24 45,24.5 45,56 32,56 32,42.5 ccw(c32.75,42.5) 32.75,41.75 34.25,41.75 ccw(c34.25,42.5) 35,42.5 35,45.5 cw(c36,45.5) 36,46.5 39,46.5 cw(c39,45.25) 40.25,45.25 40.25,42.25 ccw(c41.25,42.25) 41.25,41.25 42.75,41.25 cw(c42.75,40) 44,40 44,32.25 43.75,32 40,32 ccw(c40,31) 39,31 39,30 cw(c38,30) 38,29 33,29 ccw(c33,28) 32,28
GND on Layer 1 "NONET_L01_P-001" (solid, pour order 115): -40,16 -36,12 -23,12 -19,16 -19,57 -6,57 -6,16 -2,12 11,12 15,16 15,57 28,57 28,28 25,25 25,8 26,7 41,7 41,0 -40,0
GND on Layer 1 "NONET_L01_P-001" (solid, pour order 114): -60,57 -60,0 -40,0 -40,57
"J-_U_Gate ConnectorAA" on Layer 1 "NONET_L01_P-001" (solid, pour order 110): -35,31.5 -31.036,31.5 ccw(c-31.036,32.793) -30.121,31.879 -29.5,32.5 -28.854,33.146 cw(c-28,32.293) -28,33.5 -25.5,33.5 ccw(c-25.5,34) -25,34 -25,39.162 ccw(c-25.338,39.162) -25.338,39.5 -27,39.5 cw(c-27,41.75) -29.25,41.75 -29.25,44.725 ccw(c-29.525,44.725) -29.525,45 -31.875,45 ccw(c-31.875,44.875) -32,44.875 -32,42 cw(c-33.75,42) -33.75,40.25 -35.016,40.25 ccw(c-35.016,39.266) -36,39.266 -36,32.5 ccw(c-35,32.5)
"J-_U_Gate ConnectorBA" on Layer 1 "NONET_L01_P-001" (solid, pour order 109): -1,31.5 2.964,31.5 ccw(c2.964,32.793) 3.879,31.879 4.5,32.5 5.146,33.146 cw(c6,32.293) 6,33.5 8.5,33.5 ccw(c8.5,34) 9,34 9,39.162 ccw(c8.662,39.162) 8.662,39.5 7,39.5 cw(c7,41.75) 4.75,41.75 4.75,44.725 ccw(c4.475,44.725) 4.475,45 2.125,45 ccw(c2.125,44.875) 2,44.875 2,42 cw(c0.25,42) 0.25,40.25 -1.016,40.25 ccw(c-1.016,39.266) -2,39.266 -2,32.5 ccw(c-1,32.5)
"J-_U_Gate ConnectorCA" on Layer 1 "NONET_L01_P-001" (solid, pour order 108): 33,31.5 36.964,31.5 ccw(c36.964,32.793) 37.879,31.879 38.5,32.5 39.146,33.146 cw(c40,32.293) 40,33.5 42.5,33.5 ccw(c42.5,34) 43,34 43,39.162 ccw(c42.662,39.162) 42.662,39.5 41,39.5 cw(c41,41.75) 38.75,41.75 38.75,44.725 ccw(c38.475,44.725) 38.475,45 36.125,45 ccw(c36.125,44.875) 36,44.875 36,42 cw(c34.25,42) 34.25,40.25 32.984,40.25 ccw(c32.984,39.266) 32,39.266 32,32.5 ccw(c33,32.5)
"J-_U_Gate ConnectorAB" on Layer 1 "NONET_L01_P-001" (solid, pour order 107): -26.75,41.25 -25.25,41.25 cw(c-25.25,40) -24,40 -24,32.25 -24.25,32 -28,32 ccw(c-28,31) -29,31 -29,30 cw(c-30,30) -30,29 -35,29 ccw(c-35,28) -36,28 -36,17.75 -34.25,16 -24.75,16 -23,17.75 -23,56 -36,56 -36,42.5 ccw(c-35.25,42.5) -35.25,41.75 -33.75,41.75 ccw(c-33.75,42.5) -33,42.5 -33,45.5 cw(c-32,45.5) -32,46.5 -29,46.5 cw(c-29,45.25) -27.75,45.25 -27.75,42.25 ccw(c-26.75,42.25)
"J-_U_Gate ConnectorBB" on Layer 1 "NONET_L01_P-001" (solid, pour order 106): 7.25,41.25 8.75,41.25 cw(c8.75,40) 10,40 10,32.25 9.75,32 6,32 ccw(c6,31) 5,31 5,30 cw(c4,30) 4,29 -1,29 ccw(c-1,28) -2,28 -2,17.75 -0.25,16 9.25,16 11,17.75 11,55.73 -2,55.73 -2,42.5 ccw(c-1.25,42.5) -1.25,41.75 0.25,41.75 ccw(c0.25,42.5) 1,42.5 1,45.5 cw(c2,45.5) 2,46.5 5,46.5 cw(c5,45.25) 6.25,45.25 6.25,42.25 ccw(c7.25,42.25)
NetC8_2 on Layer 1 "NONET_L01_P-001" (solid, pour order 92): 29.25,14.5 29.25,11.5 32.75,11.5 32.75,14.5
GND on Layer 1 "NONET_L01_P-001" (solid, pour order 113): 49,57 49,26 53,22 53,13 60,13 60,57
VCC_U_Bias_HighA on Layer 1 "NONET_L01_P-001" (solid, pour order 105): -35.5,50 -35.5,49 -32.5,49 -32,48.5 -32,46.75 -31,46.75 -31,48.5 -30.5,49 -27.25,49 -26.75,48.5 -26.75,47.25 -25,47.25 -25,50 -27.25,50 -27.5,50.25 -33,50.25 -33.25,50
VCC_U_Bias_HighB on Layer 1 "NONET_L01_P-001" (solid, pour order 104): -1.5,50 -1.5,49 1.5,49 2,48.5 2,46.75 3,46.75 3,48.5 3.5,49 6.75,49 7.25,48.5 7.25,47.25 9,47.25 9,50 6.75,50 6.5,50.25 1,50.25 0.75,50
VCC_U_Bias_HighC on Layer 1 "NONET_L01_P-001" (solid, pour order 80): 32.5,50 32.5,49 35.5,49 36,48.5 36,46.75 37,46.75 37,48.5 37.5,49 40.75,49 41.25,48.5 41.25,47.25 43,47.25 43,50 40.75,50 40.5,50.25 35,50.25 34.75,50
12V on Layer 1 "NONET_L01_P-001" (solid, pour order 87): 19,51.75 17.5,50.25 17.5,48 22.25,48 22.25,49.5 23,50.25 25,50.25 25,51.25 23,51.25 22.5,51.75
12V on Layer 1 "NONET_L01_P-001" (solid, pour order 86): -15,51.75 -16.5,50.25 -16.5,48 -11.75,48 -11.75,49.5 -11,50.25 -9,50.25 -9,51.25 -11,51.25 -11.5,51.75
12V on Layer 1 "NONET_L01_P-001" (solid, pour order 85): 19,51.75 17.5,50.25 17.5,48 22.25,48 22.25,49.5 23,50.25 25,50.25 25,51.25 23,51.25 22.5,51.75
12V on Layer 1 "NONET_L01_P-001" (solid, pour order 84): -15,51.75 -16.5,50.25 -16.5,48 -11.75,48 -11.75,49.5 -11,50.25 -9,50.25 -9,51.25 -11,51.25 -11.5,51.75
12V on Layer 1 "NONET_L01_P-001" (solid, pour order 83): 19,51.75 17.5,50.25 17.5,48 22.25,48 22.25,49.5 23,50.25 25,50.25 25,51.25 23,51.25 22.5,51.75
12V on Layer 1 "NONET_L01_P-001" (solid, pour order 82): -15,51.75 -16.5,50.25 -16.5,48 -11.75,48 -11.75,49.5 -11,50.25 -9,50.25 -9,51.25 -11,51.25 -11.5,51.75
12V on Layer 1 "NONET_L01_P-001" (solid, pour order 81): -49,51.75 -50.5,50.25 -50.5,48 -45.75,48 -45.75,49.5 -45,50.25 -43,50.25 -43,51.25 -45,51.25 -45.5,51.75
no net on Bottom Solder "NONET_L01_P-001" (solid): 53,13 53,57 60,57 60,13
no net on Bottom Solder "NONET_L01_P-001" (solid): -60,13 -60,57 -53,57 -53,13
no net on Top Solder "NONET_L01_P-001" (solid): 9,7 9,0 17,0 17,7
no net on Top Solder "NONET_L01_P-001" (solid): -17,7 -17,0 -9,0 -9,7
no net on Top Solder "NONET_L01_P-001" (solid): 53,13 53,57 60,57 60,13
no net on Top Solder "NONET_L01_P-001" (solid): -60,13 -60,57 -53,57 -53,13
HV_TIE on Layer 2 "NONET_L01_P-001" (solid, pour order 98): 32,26 29,23 29,11 49,11 49,20 45,24 45,24.5 45,56 32,56 32,42.5 ccw(c32.75,42.5) 32.75,41.75 34.25,41.75 ccw(c34.25,42.5) 35,42.5 35,45.5 cw(c36,45.5) 36,46.5 39,46.5 cw(c39,45.25) 40.25,45.25 40.25,42.25 ccw(c41.25,42.25) 41.25,41.25 42.75,41.25 cw(c42.75,40) 44,40 44,32.25 43.75,32 40,32 ccw(c40,31) 39,31 39,30 cw(c38,30) 38,29 33,29 ccw(c33,28) 32,28
"J-_U_Gate ConnectorBB" on Layer 2 "NONET_L01_P-001" (solid, pour order 94): 7.25,41.25 8.75,41.25 cw(c8.75,40) 10,40 10,32.25 9.75,32 6,32 ccw(c6,31) 5,31 5,30 cw(c4,30) 4,29 -1,29 ccw(c-1,28) -2,28 -2,17.75 -0.25,16 9.25,16 11,17.75 11,56 -2,56 -2,42.5 ccw(c-1.25,42.5) -1.25,41.75 0.25,41.75 ccw(c0.25,42.5) 1,42.5 1,45.5 cw(c2,45.5) 2,46.5 5,46.5 cw(c5,45.25) 6.25,45.25 6.25,42.25 ccw(c7.25,42.25)
"J-_U_Gate ConnectorAB" on Layer 2 "NONET_L01_P-001" (solid, pour order 93): -26.75,41.25 -25.25,41.25 cw(c-25.25,40) -24,40 -24,32.25 -24.25,32 -28,32 ccw(c-28,31) -29,31 -29,30 cw(c-30,30) -30,29 -35,29 ccw(c-35,28) -36,28 -36,17.75 -34.25,16 -24.75,16 -23,17.75 -23,56 -36,56 -36,42.5 ccw(c-35.25,42.5) -35.25,41.75 -33.75,41.75 ccw(c-33.75,42.5) -33,42.5 -33,45.5 cw(c-32,45.5) -32,46.5 -29,46.5 cw(c-29,45.25) -27.75,45.25 -27.75,42.25 ccw(c-26.75,42.25)
GND on Layer 2 "NONET_L01_P-001" (solid, pour order 91): -40,18 -36,14 -23,14 -21,16 -21,57 -4,57 -4,16 -2,14 10,14 13,17 13,57 30,57 30,28 27,25 27,9 41,9 41,0 -40,0
GND on Layer 2 "NONET_L01_P-001" (solid, pour order 89): 47,57 47,26 51,22 51,13 60,13 60,57
GND on Layer 2 "NONET_L01_P-001" (solid, pour order 90): -60,57 -60,0 -38,0 -38,57
"J-_U_Gate ConnectorCA" on Layer 2 "NONET_L01_P-001" (solid, pour order 97): 33,31.5 36.964,31.5 ccw(c36.964,32.793) 37.879,31.879 38.5,32.5 39.146,33.146 cw(c40,32.293) 40,33.5 42.5,33.5 ccw(c42.5,34) 43,34 43,39.162 ccw(c42.662,39.162) 42.662,39.5 41,39.5 cw(c41,41.75) 38.75,41.75 38.75,44.725 ccw(c38.475,44.725) 38.475,45 36.125,45 ccw(c36.125,44.875) 36,44.875 36,42 cw(c34.25,42) 34.25,40.25 32.984,40.25 ccw(c32.984,39.266) 32,39.266 32,32.5 ccw(c33,32.5)
"J-_U_Gate ConnectorBA" on Layer 2 "NONET_L01_P-001" (solid, pour order 96): -1,31.5 2.964,31.5 ccw(c2.964,32.793) 3.879,31.879 4.5,32.5 5.146,33.146 cw(c6,32.293) 6,33.5 8.5,33.5 ccw(c8.5,34) 9,34 9,39.162 ccw(c8.662,39.162) 8.662,39.5 7,39.5 cw(c7,41.75) 4.75,41.75 4.75,44.725 ccw(c4.475,44.725) 4.475,45 2.125,45 ccw(c2.125,44.875) 2,44.875 2,42 cw(c0.25,42) 0.25,40.25 -1.016,40.25 ccw(c-1.016,39.266) -2,39.266 -2,32.5 ccw(c-1,32.5)
"J-_U_Gate ConnectorAA" on Layer 2 "NONET_L01_P-001" (solid, pour order 95): -35,31.5 -31.036,31.5 ccw(c-31.036,32.793) -30.121,31.879 -29.5,32.5 -28.854,33.146 cw(c-28,32.293) -28,33.5 -25.5,33.5 ccw(c-25.5,34) -25,34 -25,39.162 ccw(c-25.338,39.162) -25.338,39.5 -27,39.5 cw(c-27,41.75) -29.25,41.75 -29.25,44.725 ccw(c-29.525,44.725) -29.525,45 -31.875,45 ccw(c-31.875,44.875) -32,44.875 -32,42 cw(c-33.75,42) -33.75,40.25 -35.016,40.25 ccw(c-35.016,39.266) -36,39.266 -36,32.5 ccw(c-35,32.5)
12V on Layer 2 "NONET_L01_P-001" (solid, pour order 88): -2.1,3.4 -2.1,1.5 -1.7,1.1 -1.7,0.5 -0.8,0.5 -0.8,2.5 -1.3,3 -1.3,3.4
GND on Layer 3 "NONET_L01_P-001" (solid, pour order 112): -60,57 -60,0 60,0 60,57

## Silkscreen, mask and mechanical layers (free items; w line width, h text height)
Top Overlay:
  rectangle: 11,17 15,35
  rectangle: 49,13 53,15
  rectangle: 38,7 41,11
  rectangle: -40,53 -36,57
  rectangle: -23,17 -19,35
  rectangle: -23,53 -19,57
  rectangle: -6,53 -2,57
  rectangle: 45,53 49,57
  rectangle: 11,53 15,57
  rectangle: 28,53 32,57
  rectangle: 45,25 49,35
  lines w4: -38,53 -38,17 -35,14 -24,14 -21,17 ; -4,53 -4,17 -1,14 10,14 13,17 ; 30,53 30,27 27,24 27,9 39,9 ; 47,25 51,21 51,15
  text "4 MM" at -19,34 h4 r90
  text "4 MM" at 15,34 h4 r90
  text "4 MM" at 49,34 h4 r90
  text "CHASSIS GLV" at 52.286,27.848 h3 r90
  text "V-Φ HV TS" at 1.802,17.429 h3
  text "U-Φ HV TS" at -32.355,17.142 h3
  text "W-Φ HV TS" at 35.645,17.142 h3
  text "1000V 100A POWER MODULE" at -15.812,7.324 h3
  text "DRIVER  / GLV" at -26.5,1.629 h3
  text "LIONG / MA" at 17.5,1.629 h3
  text "12V" at -37.056,1.258 h2.03
  text "3V" at -31.056,1.258 h2.03
Bottom Overlay:
  drawing of 29 lines, arcs and shapes, not listed
  text "4 MM" at -19,53.212 h4 r90
  text "4 MM" at 15,53.212 h4 r90
  text "4 MM" at 49,53.212 h4 r90
  text "CHASSIS GLV" at 52.286,42.152 h3 r90
  text "V-Φ HV TS" at 8.512,17.429 h3
  text "U-Φ HV TS" at -25.645,17.142 h3
  text "W-Φ HV TS" at 42.355,17.142 h3
  text "DRIVER GLV" at -4.848,8.714 h3
Board:
  lines w0.25: -60,14.27 ccw(c-58.73,14.27) -58.73,13 -42.27,13 cw(c-42.27,11.73) -41,11.73 -41,1.27 ccw(c-39.73,1.27) -39.73,0 39.73,0 ccw(c39.73,1.27) 41,1.27 41,11.73 cw(c42.27,11.73) 42.27,13 58.73,13 ccw(c58.73,14.27) 60,14.27 60,55.73 ccw(c58.73,55.73) 58.73,57 1,57 -58.73,57 ccw(c-58.73,55.73) -60,55.73 -60,14.27